# Altium PCB ANALOG_Mezzanine.PcbDoc (part 2 of 3) (continued)
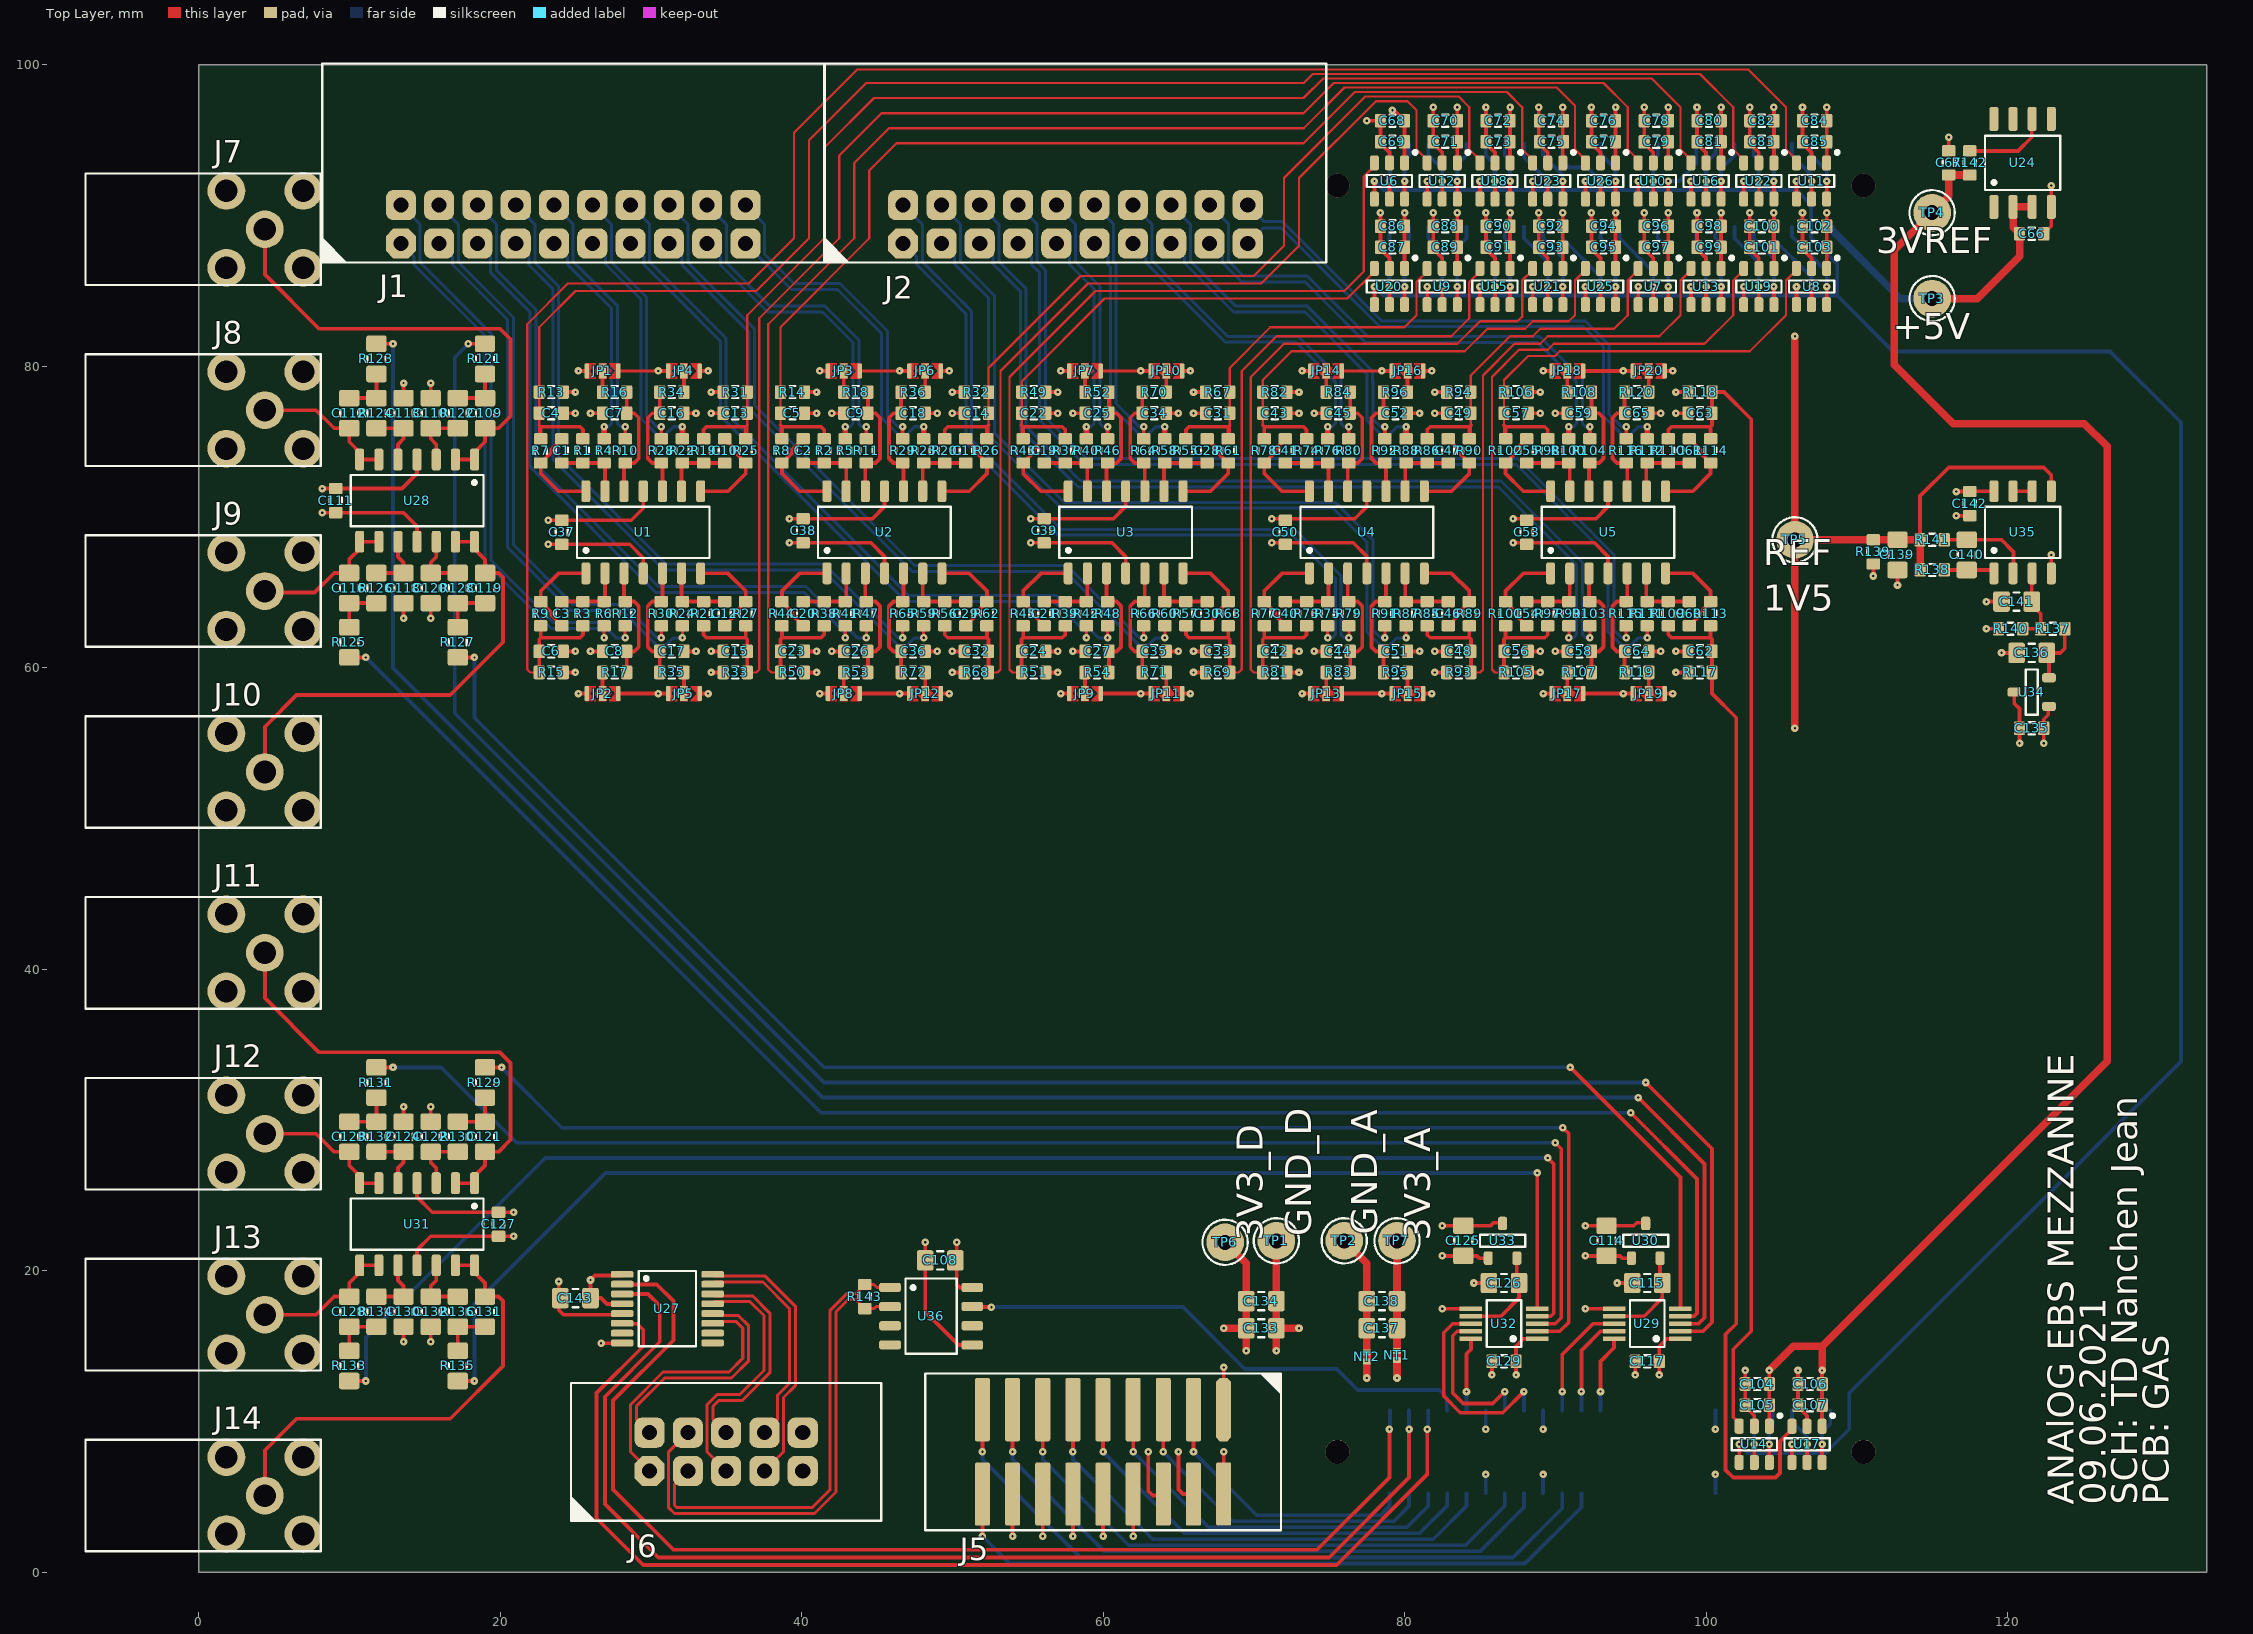
[diagram p0: Top Layer view]
## Nets (pads, with @x,y where several pads share a name; then routed paths per layer and width w, separated by ;. In a path a pad name is that pad's centre, name@x,y a point inside that pad or via, vN(x,y) a via of type N, cw(c..) or ccw(c..) an arc to the next point about the centre after c; other vN are vias at no path point) (continued)
  Top Layer w0.25: R86.2@81.5,75.2 81.5,75.8 81.7,76 84.3,76 ; R90.2@84.3,75.2 84.3,76 ; 84.4,76.1 84.3,76
ADC_CH14_CS: J4.a16 U7.6 | length 5.4
  Top Layer w0.25: U7.6@97.5,84.1 v1(97.5,85.3)
  Bottom Layer w0.25: J4.a16@96.81,89.25 96.8,89.24 96.8,88.5 97.5,87.8 v1(97.5,85.3)
ADC_CH14_SDO: J4.a14 U7.5 | length 6.2
  Top Layer w0.25: U7.5@96.5,84.1 v1(96.5,85.3)
  Bottom Layer w0.25: J4.a14@94.27,89.25 94.27,88.5 96.5,86.27 v1(96.5,85.3) v1@96.5,85.2
ADC_CH15: C42.2 R73.2 R77.2 R81.1 U21.3 | length 50.1
  Top Layer w0.15: R81.1@70.6,59.7 70,59.7 69.8,59.9 69.8,79.3 72,81.5 83.5,81.5 85,83 87.5,83 87.8,83.3 87.8,85.7 88.5,86.4 U21.3@88.5,86.5
  Top Layer w0.25: R81.1@70.6,59.7 C42.2@70.6,61.1 70.6,61.9 70.7,62 ; R77.2@70.7,62.8 70.7,62 ; R73.2@73.5,62.8 73.5,62.2 73.3,62 70.7,62
ADC_CH15_CS: J4.a10 U21.6 | length 5.7
  Top Layer w0.25: U21.6@90.5,84.1 v1(90.5,85.3)
  Bottom Layer w0.25: J4.a10@89.19,89.25 89.19,88.51 90.5,87.2 v1(90.5,85.3)
ADC_CH15_SDO: J4.a9 U21.5 | length 5.8
  Top Layer w0.25: U21.5@89.5,84.1 v1(89.5,85.3)
  Bottom Layer w0.25: J4.a9@87.92,89.25 87.92,88.5 89.5,86.92 v1(89.5,85.3)
ADC_CH16: C48.2 R85.2 R89.2 R93.1 U13.3 | length 45.2
  Top Layer w0.15: R93.1@84.4,59.7 85,59.7 85.2,59.9 85.2,79.4 87.3,81.5 89,81.5 89.5,82 96.9,82 98.3,83.4 98.3,85.7 99,86.4 U13.3@99,86.5
  Top Layer w0.25: R85.2@81.5,62.8 81.5,62.2 81.7,62 84.3,62 ; R89.2@84.3,62.8 84.3,62 ; R93.1@84.4,59.7 C48.2@84.4,61.1 84.4,61.9 84.3,62
ADC_CH16_CS: J4.a19 U13.6 | length 5.3
  Top Layer w0.25: U13.6@101,84.1 v1(101,85.3)
  Bottom Layer w0.25: J4.a19@100.62,89.25 100.62,88.5 101,88.12 v1(101,85.3)
ADC_CH16_SDO: J4.a18 U13.5 | length 5.4
  Top Layer w0.25: U13.5@100,84.1 v1(100,85.3)
  Bottom Layer w0.25: J4.a18@99.35,89.25 99.35,88.5 100,87.85 v1(100,85.3)
ADC_CH17: C57.2 R98.2 R102.2 R106.1 U8.3 | length 32.1
  Top Layer w0.15: R102.2@86.6,75.3 86.6,76.1 C57.2@86.6,76.9 R106.1@86.6,78.3 86.6,79.1 88.2,80.7 90,80.7 90.3,81 102.9,81 105.3,83.4 105.3,85.7 106,86.4 U8.3@106,86.5
  Top Layer w0.25: 86.6,76.1 86.7,76 ; R102.2@86.7,75.2 86.7,76 ; R98.2@89.5,75.2 89.5,75.8 89.3,76 86.7,76
ADC_CH17_CS: J4.a23 U8.6 | length 6.1
  Top Layer w0.25: U8.6@108,84.1 v1(108,85.3)
  Bottom Layer w0.25: J4.a23@105.7,89.25 105.7,88.6 108,86.3 v1(108,85.3)
ADC_CH17_SDO: J4.a22 U8.5 | length 6.2
  Top Layer w0.25: U8.5@107,84.1 v1(107,85.3)
  Bottom Layer w0.25: J4.a22@104.43,89.25 104.43,88.5 107,85.93 v1(107,85.3)
ADC_CH18: C63.2 R110.2 R114.2 R118.1 U14.3 | length 77.5
  Top Layer w0.15: U14.3@102.2,9.6 U14.3@102.2,9.7
  Top Layer w0.25: R110.2@97.5,75.2 97.5,75.8 97.7,76 100.3,76 ; R114.2@100.3,75.2 100.3,76 ; U14.3@102.2,9.7 102.2,9.9 101.8,10.3 101.8,14.8 103,16 103,76.5 101.2,78.3 R118.1@100.4,78.3 C63.2@100.4,76.9 100.4,76.1 100.3,76
ADC_CH18_CS: J3.b22 U14.6 | length 3.5
  Top Layer w0.25: U14.6@104.2,7.3 v1(104.2,8.5)
  Bottom Layer w0.25: v1(104.2,8.5) 104.2,9.5 104.43,9.73 J3.b22@104.43,10.75
ADC_CH18_SDO: J3.b21 U14.5 | length 3.4
  Top Layer w0.25: U14.5@103.2,7.3 v1(103.2,8.5)
  Bottom Layer w0.25: v1(103.2,8.5) J3.b21@103.2,10.75
ADC_CH19: C56.2 R97.2 R101.2 R105.1 U19.3 | length 48
  Top Layer w0.15: R105.1@86.6,59.7 86,59.7 85.8,59.9 85.8,79.3 87.6,81.1 89.5,81.1 89.9,81.5 99.9,81.5 101.8,83.4 101.8,85.7 102.5,86.4 U19.3@102.5,86.5
  Top Layer w0.25: R105.1@86.6,59.7 C56.2@86.6,61.1 86.6,61.9 86.7,62 ; R101.2@86.7,62.8 86.7,62 ; R97.2@89.5,62.8 89.5,62.2 89.3,62 86.7,62
ADC_CH19_CS: J4.a21 U19.6 | length 5.7
  Top Layer w0.25: U19.6@104.5,84.1 v1(104.5,85.3)
  Bottom Layer w0.25: J4.a21@103.16,89.25 103.16,88.5 104.5,87.16 v1(104.5,85.3)
ADC_CH19_SDO: J4.a20 U19.5 | length 5.8
  Top Layer w0.25: U19.5@103.5,84.1 v1(103.5,85.3)
  Bottom Layer w0.25: J4.a20@101.89,89.25 101.89,88.5 103.5,86.89 v1(103.5,85.3)
ADC_SCLK: J4.a24 U6.4 U7.4 U8.4 U9.4 U10.4 U11.4 U12.4 U13.4 U14.4 U15.4 U16.4 U17.4 U18.4 U19.4 U20.4 U21.4 U22.4 U23.4 U25.4 U26.4 | length 211.9
  Top Layer w0.25: U20.4@78,84.1 v1(78,85.3) ; U6.4@78,91.1 v1(78,92.3) ; U9.4@81.5,84.1 v1(81.5,85.3) ; U12.4@81.5,91.1 v1(81.5,92.3) ; U15.4@85,84.1 v1(85,85.3) ; U18.4@85,91.1 v1(85,92.3) ; U21.4@88.5,84.1 v1(88.5,85.3) ; U23.4@88.5,91.1 v1(88.5,92.3) ; U25.4@92,84.1 v1(92,85.3) ; U26.4@92,91.1 v1(92,92.3) ; U7.4@95.5,84.1 v1(95.5,85.3) ; U10.4@95.5,91.1 v1(95.5,92.3) ; U13.4@99,84.1 v1(99,85.3) ; U16.4@99,91.1 v1(99,92.3) ; U14.4@102.2,7.3 v1(102.2,8.5) ; U19.4@102.5,84.1 v1(102.5,85.3) ; U22.4@102.5,91.1 v1(102.5,92.3) ; U17.4@105.7,7.3 v1(105.7,8.5) ; U8.4@106,84.1 v1(106,85.3) ; U11.4@106,91.1 v1(106,92.3)
  Bottom Layer w0.25: v1(78,85.3) 78.6,84.7 81.5,84.7 ; v1(78,92.3) 78.6,91.7 81.5,91.7 ; v1(81.5,85.3) 81.5,84.7 ; v1(81.5,92.3) 81.5,91.7 ; v1(85,85.3) 85,84.7 ; v1(85,92.3) 85,91.7 ; v1(88.5,85.3) 88.5,84.7 ; v1(88.5,92.3) 88.5,91.7 ; v1(92,85.3) 92,84.7 ; v1(92,92.3) 92,91.7 ; v1(95.5,85.3) 95.5,84.7 ; v1(95.5,92.3) 95.5,91.7 ; v1(99,85.3) 99,84.7 ; v1(99,92.3) 99,91.7 ; v1(102.2,8.5) 102.8,7.9 103.7,7.9 104.4,7.9 105.7,7.9 ; v1(102.5,85.3) 102.5,84.7 ; v1(102.5,92.3) 102.5,91.7 ; v1(105.7,8.5) 105.7,7.9 ; v1(106,85.3) 106,84.7 ; v1(106,92.3) 106,91.7 ; 81.5,84.7 85,84.7 ; 81.5,91.7 85,91.7 ; 85,84.7 88.5,84.7 ; 85,91.7 88.5,91.7 ; 88.5,84.7 92,84.7 ; 88.5,91.7 92,91.7 ; 92,84.7 95.5,84.7 ; 92,91.7 95.5,91.7 ; 95.5,84.7 99,84.7 ; 95.5,91.7 99,91.7 ; 99,84.7 102.5,84.7 ; 99,91.7 102.5,91.7 ; 102.5,84.7 106,84.7 ; 102.5,91.7 106,91.7 ; 105.7,7.9 107.2,7.9 107.9,7.9 108.4,8.4 109.5,9.5 109.5,11.9 131.5,33.9 131.5,76.3 126.8,81 112.4,81 108.7,84.7 ; 106,84.7 107.5,84.7 108.7,84.7 ; 106,91.7 106.97,90.73 J4.a24@106.97,89.25 106.97,88.53 108.7,86.8 108.7,84.7
DAC_A: R121.1 U29.2 | length 135.2
  Top Layer w0.25: v1(17.9,81.5) R121.1@19,81.5 ; v1(96,32.5) 100.4,28.1 100.4,16.6 99.8,16 U29.2@98.3,16
  Bottom Layer w0.25: v1(17.9,81.5) 17,80.6 17,57 41.5,32.5 91.2,32.5 v1(96,32.5)
DAC_B: R123.1 U29.3 | length 135.2
  Top Layer w0.25: R123.1@11.8,81.5 v1(12.9,81.5) ; v1(95.5,31.5) 99.9,27.1 99.9,16.9 99.5,16.5 U29.3@98.3,16.5
  Bottom Layer w0.25: v1(12.9,81.5) 12.9,60 41.4,31.5 90.6,31.5 v1(95.5,31.5) ; v1@95.5,31.472 v1(95.5,31.5) ; v1@95.5,31.522 v1(95.5,31.5)
DAC_C: R125.1 U29.4 | length 113.8
  Top Layer w0.25: R125.1@10,60.7 v1(11.1,60.7) ; v1(95,30.5) 99.4,26.1 99.4,17.2 99.2,17 U29.4@98.3,17
  Bottom Layer w0.25: v1(11.1,60.7) 41.3,30.5 v1(95,30.5)
DAC_D: R127.1 U29.5 | length 106.4
  Top Layer w0.25: R127.1@17.2,60.7 v1(18.3,60.7) ; v1(91,33.5) 98.3,26.2 U29.5@98.3,17.5
  Bottom Layer w0.25: v1(18.3,60.7) 18.3,56.7 41.493,33.507 v1@91,33.507
DAC_E: R129.1 U32.2 | length 88.6
  Top Layer w0.25: R129.1@19,33.5 v1(20.1,33.5) ; U32.2@88.8,16 90.3,16 90.9,16.6 90.9,29.1 v1(90.5,29.5)
  Bottom Layer w0.25: v1(20.1,33.5) 24.1,29.5 v1(90.5,29.5)
DAC_F: R131.1 U32.3 | length 94
  Top Layer w0.25: R131.1@11.8,33.5 v1(12.9,33.5) ; U32.3@88.6,16.5 U32.3@88.8,16.5 90,16.5 90.4,16.9 90.4,28.1 v1(90,28.5)
  Bottom Layer w0.25: v1(12.9,33.5) 16.1,33.5 21.1,28.5 v1(90,28.5)
DAC_G: R133.1 U32.4 | length 99
  Top Layer w0.25: R133.1@10,12.7 v1(11.1,12.7) ; U32.4@88.8,17 89.7,17 89.9,17.2 89.9,27.1 v1(89.5,27.5)
  Bottom Layer w0.25: v1(11.1,12.7) 11.1,15.6 23,27.5 v1(89.5,27.5)
DAC_H: R135.1 U32.5 | length 89.3
  Top Layer w0.25: R135.1@17.2,12.7 v1(18.3,12.7) ; U32.5@88.8,17.5 v1(88.8,26.5)
  Bottom Layer w0.25: v1(18.3,12.7) 18.3,17.8 27,26.5 v1(88.8,26.5)
DAC_OUT_A: C109.2 J7.1 U28.1 U28.2 | length 31.8
  Top Layer w0.25: J7.1@4.4,89.1 4.4,86.1 8,82.5 20,82.5 20.7,81.8 20.7,76.7 19.9,75.9 C109.2@19.01,75.9 ; U28.2@17.04,73.825 U28.1@18.31,73.825 18.31,74.3 19.01,75 C109.2@19.01,75.9 ; C109.2@19,75.9 C109.2@19.01,75.9
DAC_OUT_B: C112.2 J8.1 U28.6 U28.7 | length 9.7
  Top Layer w0.25: J8.1@4.4,77.1 7.8,77.1 9,75.9 C112.2@10,75.9 10,75 10.7,74.3 U28.7@10.7,73.825 ; U28.7@10.69,73.825 U28.7@10.7,73.825 ; U28.6@11.96,73.825 U28.7@10.7,73.825
DAC_OUT_C: C116.2 J9.1 U28.8 U28.9 | length 12.2
  Top Layer w0.25: J9.1@4.4,65 7.7,65 9,66.3 C116.2@9.99,66.3 ; U28.9@11.96,68.375 11.96,68.4 11.935,68.375 U28.8@10.7,68.375 ; C116.2@9.99,66.3 10,66.3 10,67.2 10.7,67.9 U28.8@10.7,68.375 ; C116.2@9.99,66.3 9.99,67.2 10.69,67.9 U28.8@10.69,68.375 U28.8@10.7,68.375
DAC_OUT_D: C119.2 J10.1 U28.13 U28.14 | length 30.4
  Top Layer w0.25: J10.1@4.4,53.1 4.4,56.1 6.5,58.2 16.7,58.2 20.2,61.7 20.2,66 19.9,66.3 C119.2@19.01,66.3 19.01,67.2 18.31,67.9 U28.14@18.31,68.375 U28.13@17.04,68.375
DAC_OUT_E: C121.2 J11.1 U31.1 U31.2 | length 31.8
  Top Layer w0.25: J11.1@4.4,41.1 4.4,38.1 8,34.5 20,34.5 20.7,33.8 20.7,28.7 19.9,27.9 C121.2@19,27.9 19,27 18.3,26.3 U31.1@18.3,25.825 ; U31.2@17.04,25.825 U31.1@18.3,25.825 ; U31.1@18.31,25.825 U31.1@18.3,25.825
DAC_OUT_F: C123.2 J12.1 U31.6 U31.7 | length 9.7
  Top Layer w0.25: J12.1@4.4,29.1 7.8,29.1 9,27.9 C123.2@10,27.9 10,27 10.7,26.3 U31.7@10.7,25.825 ; U31.7@10.69,25.825 U31.7@10.7,25.825 ; U31.6@11.96,25.825 U31.7@10.7,25.825
DAC_OUT_G: C128.2 J13.1 U31.8 U31.9 | length 9.8
  Top Layer w0.25: J13.1@4.4,17.1 7.8,17.1 9,18.3 C128.2@10,18.3 10,19.2 10.7,19.9 U31.8@10.7,20.375 ; U31.8@10.69,20.375 U31.8@10.7,20.375 ; U31.9@11.96,20.375 11.96,20.4 11.935,20.375 U31.8@10.7,20.375
DAC_OUT_H: C131.2 J14.1 U31.13 U31.14 | length 30.4
  Top Layer w0.25: J14.1@4.4,5.1 4.4,8.1 6.5,10.2 16.7,10.2 20.2,13.7 20.2,18 19.9,18.3 C131.2@19.01,18.3 ; U31.13@17.04,20.375 U31.14@18.31,20.375 18.31,19.9 19.01,19.2 C131.2@19.01,18.3 ; C131.2@19,18.3 C131.2@19.01,18.3
GND_A: C4.1 C5.1 C6.1 C7.1 C8.1 C9.1 C13.1 C14.1 C15.1 C16.1 C17.1 C18.1 C22.1 C23.1 C24.1 C25.1 C26.1 C27.1 C31.1 C32.1 C33.1 C34.1 C35.1 C36.1 C37.1 C38.1 C39.1 C42.1 C43.1 C44.1 C45.1 C48.1 C49.1 C50.1 C51.1 C52.1 C53.1 C56.1 C57.1 C58.1 C59.1 C62.1 C63.1 C64.1 C65.1 C66.1 C67.1 C68.1 C69.1 C70.1 C71.1 C72.1 C73.1 C74.1 C75.1 C76.1 C77.1 C78.1 C79.1 C80.1 C81.1 C82.1 C83.1 C84.1 C85.1 C86.1 C87.1 C88.1 C89.1 C90.1 C91.1 C92.1 C93.1 C94.1 C95.1 C96.1 C97.1 C98.1 C99.1 C100.1 C101.1 C102.1 C103.1 C104.1 C105.1 C106.1 C107.1 C110.1 C111.1 C113.1 C114.1 C115.1 C118.1 C120.1 C122.1 C124.1 C125.1 C126.1 C127.1 C130.1 C132.1 C135.1 C136.1 C137.2 C138.2 C139.1 C141.1 C142.1 J7.2 J8.2 J9.2 J10.2 J11.2 J12.2 J13.2 J14.2 JP1.3 JP2.3 JP3.3 JP4.3 JP5.3 JP6.3 JP7.3 JP8.3 JP9.3 JP10.3 JP11.3 JP12.3 JP13.3 JP14.3 JP15.3 JP16.3 JP17.3 JP18.3 JP19.3 JP20.3 NT2.2 R13.2 R14.2 R15.2 R31.2 R32.2 R33.2 R49.2 R50.2 R51.2 R67.2 R68.2 R69.2 R81.2 R82.2 R93.2 R94.2 R105.2 R106.2 R117.2 R118.2 R139.2 R140.2 TP2.1 U1.11 U2.11 U3.11 U4.11 U5.11 U6.2 U7.2 U8.2 U9.2 U10.2 U11.2 U12.2 U13.2 U14.2 U15.2 U16.2 U17.2 U18.2 U19.2 U20.2 U21.2 U22.2 U23.2 U24.4 U25.2 U26.2 U28.11 U30.3 U31.11 U33.3 U34.3 U35.4 | length 236.3
  Top Layer w0.25: v1(8.2,70.3) C111.1@9.1,70.3 ; v1(13.6,15.3) C130.1@13.6,16.3 ; C124.1@13.6,29.9 v1(13.6,30.9) ; v1(13.6,63.3) C118.1@13.6,64.3 ; C113.1@13.6,77.9 v1(13.6,78.9) ; U31.11@14.5,20.375 14.5,21.4 15.4,22.3 C127.1@19.9,22.3 v1(20.9,22.3) ; U28.11@14.5,68.375 14.5,69.4 13.6,70.3 10.1,70.3 ; v1(15.4,15.3) C132.1@15.4,16.3 ; C122.1@15.4,29.9 v1(15.4,30.9) ; v1(15.4,63.3) C120.1@15.4,64.3 ; C110.1@15.4,77.9 v1(15.4,78.9) ; v1(23.2,69.8) C37.1@24.1,69.8 28.7,69.8 29.5,70.6 U1.11@29.5,71.725 ; R15.2@24.2,59.7 v1(25,59.7) ; C6.1@24.2,61.1 v1(25,61.1) ; C4.1@24.2,76.9 v1(25,76.9) ; R13.2@24.2,78.3 v1(25,78.3) ; v1@25.1,58.3 v1(25.2,58.3) JP2.3@25.75,58.3 ; v1@25.1,79.7 v1(25.2,79.7) JP1.3@25.75,79.7 ; v1(26,61.1) C8.1@26.8,61.1 ; v1(26,76.9) C7.1@26.8,76.9 ; C17.1@32.2,61.1 v1(33,61.1) ; C16.1@32.2,76.9 v1(33,76.9) ; JP5.3@33.25,58.3 v1(33.8,58.3) v1@33.9,58.3 ; JP4.3@33.25,79.7 v1(33.8,79.7) v1@33.9,79.7 ; v1(34,59.7) R33.2@34.8,59.7 ; v1(34,61.1) C15.1@34.8,61.1 ; v1(34,76.9) C13.1@34.8,76.9 ; v1(34,78.3) R31.2@34.8,78.3 ; v1(39.2,69.9) C38.1@40.1,69.9 44.7,69.9 45.5,70.7 U2.11@45.5,71.725 U2.11@45.5,71.825 ; R50.2@40.2,59.7 v1(41,59.7) ; C23.1@40.2,61.1 v1(41,61.1) ; C5.1@40.2,76.9 v1(41,76.9) ; R14.2@40.2,78.3 v1(41,78.3) ; v1@41.1,58.3 v1(41.2,58.3) JP8.3@41.75,58.3 ; v1@41.1,79.7 v1(41.2,79.7) JP3.3@41.75,79.7 ; v1(42,61.1) C26.1@42.8,61.1 ; v1(42,76.9) C9.1@42.8,76.9 ; C36.1@48.2,61.1 v1(49,61.1) ; C18.1@48.2,76.9 v1(49,76.9) ; JP12.3@49.25,58.3 v1(49.8,58.3) v1@49.9,58.3 ; JP6.3@49.25,79.7 v1(49.8,79.7) v1@49.9,79.7 ; v1(50,59.7) R68.2@50.8,59.7 ; v1(50,61.1) C32.1@50.8,61.1 ; v1(50,76.9) C14.1@50.8,76.9 ; v1(50,78.3) R32.2@50.8,78.3 ; v1(55.2,69.9) C39.1@56.1,69.9 60.7,69.9 61.5,70.7 U3.11@61.5,71.725 U3.11@61.5,71.825 ; R51.2@56.2,59.7 v1(57,59.7) ; C24.1@56.2,61.1 v1(57,61.1) ; C22.1@56.2,76.9 v1(57,76.9) ; R49.2@56.2,78.3 v1(57,78.3) ; v1@57.1,58.3 v1(57.2,58.3) JP9.3@57.75,58.3 ; v1@57.1,79.7 v1(57.2,79.7) JP7.3@57.75,79.7 ; v1(58,61.1) C27.1@58.8,61.1 ; v1(58,76.9) C25.1@58.8,76.9 ; C35.1@64.2,61.1 v1(65,61.1) ; C34.1@64.2,76.9 v1(65,76.9) ; JP11.3@65.25,58.3 v1(65.8,58.3) v1@65.9,58.3 ; JP10.3@65.25,79.7 v1(65.8,79.7) v1@65.9,79.7 ; v1(66,59.7) R69.2@66.8,59.7 ; v1(66,61.1) C33.1@66.8,61.1 ; v1(66,76.9) C31.1@66.8,76.9 ; v1(66,78.3) R67.2@66.8,78.3 ; v1(71.2,69.9) 76.7,69.9 77.5,70.7 U4.11@77.5,71.725 U4.11@77.5,71.825 ; R81.2@72.2,59.7 v1(73,59.7) ; C42.1@72.2,61.1 v1(73,61.1) ; C43.1@72.2,76.9 v1(73,76.9) ; R82.2@72.2,78.3 v1(73,78.3) ; v1@73.1,58.3 v1(73.2,58.3) JP13.3@73.75,58.3 ; v1@73.1,79.7 v1(73.2,79.7) JP14.3@73.75,79.7 ; v1(74,61.1) C44.1@74.8,61.1 ; v1(74,76.9) C45.1@74.8,76.9 ; v1(77.5,96.3) C68.1@78.4,96.3 C69.1@78.4,94.9 78.4,94.8 79,94.2 U6.2@79,93.5 ; v1(78.4,90.2) C86.1@78.4,89.3 78.4,87.8 79,87.2 U20.2@79,86.5 ; C51.1@80.2,61.1 v1(81,61.1) ; C52.1@80.2,76.9 v1(81,76.9) ; JP15.3@81.25,58.3 v1(81.8,58.3) v1@81.9,58.3 ; JP16.3@81.25,79.7 v1(81.8,79.7) v1@81.9,79.7 ; v1(81.9,90.2) 81.9,87.8 82.5,87.2 U9.2@82.5,86.5 ; v1(81.9,97.2) 81.9,94.8 82.5,94.2 U12.2@82.5,93.5 ; v1(82,59.7) R93.2@82.8,59.7 ; v1(82,61.1) C48.1@82.8,61.1 ; v1(82,76.9) C49.1@82.8,76.9 ; v1(82,78.3) R94.2@82.8,78.3 ; v1(84.6,19.2) C126.1@85.6,19.2 ; v1(85.4,90.2) 85.4,87.8 86,87.2 U15.2@86,86.5 ; v1(85.4,97.2) 85.4,94.8 86,94.2 U18.2@86,93.5 ; U33.3@86.5,23.15 86.45,23.2 85.9,23.2 85.7,23 C125.1@83.9,23 82.8,23 ; v1(87.2,69.9) 92.7,69.9 93.5,70.7 U5.11@93.5,71.725 U5.11@93.5,71.825 ; R105.2@88.2,59.7 v1(89,59.7) ; C56.1@88.2,61.1 v1(89,61.1) ; C57.1@88.2,76.9 v1(89,76.9) ; R106.2@88.2,78.3 v1(89,78.3) ; v1(88.9,90.2) C93.1@88.9,87.9 88.9,87.8 89.5,87.2 U21.2@89.5,86.5 ; v1(88.9,97.2) 88.9,94.8 89.5,94.2 U23.2@89.5,93.5 ; v1@89.1,58.3 v1(89.2,58.3) JP17.3@89.75,58.3 ; v1@89.1,79.7 v1(89.2,79.7) JP18.3@89.75,79.7 ; v1(90,61.1) C58.1@90.8,61.1 ; v1(90,76.9) C59.1@90.8,76.9 ; 92.3,23 v1(92,23) C114.1@93.4,23 95.2,23 95.4,23.2 95.95,23.2 U30.3@96,23.15 ; v1(92.4,90.2) 92.4,87.8 93,87.2 U25.2@93,86.5 ; v1(92.4,97.2) 92.4,94.8 93,94.2 U26.2@93,93.5 ; v1(94.1,19.2) C115.1@95.1,19.2 ; v1(95.9,90.2) 95.9,87.8 96.5,87.2 U7.2@96.5,86.5 ; v1(95.9,97.2) 95.9,94.8 96.5,94.2 U10.2@96.5,93.5 ; C64.1@96.2,61.1 v1(97,61.1) ; C65.1@96.2,76.9 v1(97,76.9) ; JP19.3@97.25,58.3 v1(97.8,58.3) v1@97.9,58.3 ; JP20.3@97.25,79.7 v1(97.8,79.7) v1@97.9,79.7 ; v1(98,59.7) R117.2@98.8,59.7 ; v1(98,61.1) C62.1@98.8,61.1 ; v1(98,76.9) C63.1@98.8,76.9 ; v1(98,78.3) R118.2@98.8,78.3 ; v1(99.4,90.2) 99.4,87.8 100,87.2 U13.2@100,86.5 ; v1(99.4,97.2) C80.1@99.4,96.3 C81.1@99.4,94.9 99.4,94.8 100,94.2 U16.2@100,93.5 ; v1(102.6,13.4) 102.6,12.4 102.6,11 103.2,10.4 U14.2@103.2,9.7 ; v1(102.9,90.2) 102.9,87.8 103.5,87.2 U19.2@103.5,86.5 ; v1(102.9,97.2) C83.1@102.9,94.9 102.9,94.8 103.5,94.2 U22.2@103.5,93.5 ; v1(106.1,13.4) 106.1,11 106.7,10.4 U17.2@106.7,9.7 ; v1(106.4,90.2) 106.4,87.8 107,87.2 U8.2@107,86.5 ; v1(106.4,97.2) 106.4,94.8 107,94.2 U11.2@107,93.5 ; v1(111.1,66.1) R139.2@111.1,66.9 ; v1(112.7,65.5) C139.1@112.7,66.5 ; C67.1@116.1,94.3 v1(116.1,95.2) ; v1(116.6,70.1) C142.1@117.5,70.1 ; v1@118.5,62.6 v1(118.6,62.6) R140.2@119.4,62.6 ; v1(118.6,64.4) C141.1@119.6,64.4 ; v1(119.6,61) C136.1@120.6,61 ; U34.3@120.45,58.4 120.45,57.65 120.8,57.3 C135.1@120.8,56 v1(120.8,55) ; C66.1@122.4,88.8 122.905,89.305 U24.4@122.905,90.579 122.905,91.995 v1(122.9,92) ; U35.4@122.9,66.6 v1(122.9,67.5) ; C111.1@9.1,70.3 10.1,70.3 ; C111.1@9.1,70.3 10.1,70.3 ; 82.8,23 v1(82.5,23) 82.8,23
  Top Layer w0.5: TP2.1@76,22 77.5,20.5 C138.2@77.5,18 C137.2@77.5,16.2 NT2.2@77.5,14.7
GND_D: C108.1 C117.1 C129.1 C133.2 C134.2 C143.1 J3.a10 J3.a19 J3.b10 J3.b19 J5.2 J5.4 J5.6 J5.8 J5.10 J5.12 J5.14 J5.16 J6.9 NT2.1 TP1.1 U27.5 U27.8 U29.6 U32.6 U36.5 | length 64
  Top Layer w0.25: v1(23.9,19.3) 23.9,17.4 24.2,17.1 28.1,17.1 U27.5@28.1,17.175 ; v1(26.7,15.2) 28.1,15.2 U27.8@28.1,15.225 ; v1(48.2,21.9) C108.1@48.2,20.7 48.2,20.4 48.2,17.3 50.405,15.095 U36.5@51.325,15.095 ; v1(54,2.4) J5.16@54,5.2 ; v1(56,2.4) J5.14@56,5.2 ; v1(58,2.4) J5.12@58,5.2 ; v1(60,2.4) J5.10@60,5.2 ; v1(62,2.4) J5.8@62,5.2 ; v1(63,8) 63,5.4 63.3,5.1 64,5.1 J5.6@64,5.2 ; v1(65,8) 65,5.5 65.3,5.2 J5.4@66,5.2 ; J5.2@68,5.2 v1(68,8) ; v1(82.5,17.5) U32.6@84.2,17.5 ; v1(85.8,13.1) C129.1@85.8,14 ; v1(92,17.5) U29.6@93.7,17.5 ; v1(95.3,13.1) C117.1@95.3,14
  Top Layer w0.5: TP1.1@71.5,22 C134.2@71.5,18 ; v1(73,16.2) C133.2@71.5,16.2 ; v1(77.5,12.9) NT2.1@77.5,13.95 ; C133.2@71.5,16.2 C134.2@71.5,18 ; C133.2@71.5,16.2 v1(71.5,14.7) C133.2@71.5,16.2 ; C133.2@71.5,16.2 C134.2@71.5,18
  Bottom Layer w0.25: J3.a10@89.19,5.25 v1(89.19,6.5) ; v1(89.19,9.5) J3.b10@89.19,10.75 ; J3.a19@100.62,5.25 v1(100.62,6.5) ; v1(100.62,9.5) J3.b19@100.62,10.75
MEAS_0_N: J2.7 R111.1 | length 62.7
  Top Layer w0.2: v1(96.1,62) R111.1@96.1,62.8
  Bottom Layer w0.2: J2.7@54.36,88.16 55.24,87.28 55.24,86.768 55.8,86.208 55.8,76.448 58.448,73.8 58.738,73.51 87.39,73.51 93.5,67.4 93.5,62.4 94.4,61.5 95,61.5 95.5,62 v1(96.1,62)
MEAS_0_P: J2.8 R115.1 | length 63.4
  Top Layer w0.2: v1(94.7,62) R115.1@94.7,62.8
  Bottom Layer w0.2: J2.8@54.36,90.7 55.63,89.43 55.63,86.93 56.19,86.37 56.19,76.61 58.9,73.9 ; 58.724,74.076 58.9,73.9 ; v1(94.7,62) 94.4,62 93.89,62.51 93.89,67.51 87.5,73.9 58.9,73.9
MEAS_1_N: J1.9 R4.1 | length 14.9
  Top Layer w0.381: R4.1@26.9,75.2 v1(26.9,76)
  Bottom Layer w0.2: J1.9@23.58,88.16 24.46,87.28 24.46,86.788 27.41,83.838 27.41,76.21 27.2,76 v1(26.9,76)
MEAS_1_P: J1.10 R10.1 | length 17.6
  Top Layer w0.25: R10.1@28.3,75.2 v1(28.3,76)
  Bottom Layer w0.2: J1.10@23.58,90.7 24.85,89.43 24.85,86.95 27.8,84 27.8,76.2 28,76 v1(28.3,76)
MEAS_2_N: J1.11 R22.1 | length 17.1
  Top Layer w0.381: R22.1@32.1,75.2 v1(32.1,76)
  Bottom Layer w0.2: J1.11@26.12,88.16 27,87.28 27,86.8 29.346,84.454 29.346,76.554 30.4,75.5 31,75.5 31.5,76 v1(32.1,76)
MEAS_2_P: J1.12 R28.1 | length 17.6
  Top Layer w0.25: R28.1@30.7,75.2 v1(30.7,76)
  Bottom Layer w0.2: J1.12@26.12,90.7 27.39,89.43 27.39,86.91 29.7,84.6 29.7,76.7 30.4,76 v1(30.7,76)
MEAS_3_N: J1.1 R6.1 | length 34.4
  Top Layer w0.2: v1(26.9,62) R6.1@26.9,62.8
  Bottom Layer w0.2: J1.1@13.42,88.16 14.3,87.28 14.3,86.748 19,82.048 19,67 23.39,62.61 26.59,62.61 26.9,62.3 v1(26.9,62)
MEAS_3_P: J1.2 R12.1 | length 37.9
  Top Layer w0.2: v1(28.3,62) R12.1@28.3,62.8
  Bottom Layer w0.2: J1.2@13.42,90.7 14.69,89.43 14.69,86.91 19.39,82.21 ; 19.4,82.2 19.39,82.21 ; v1(28.3,62) 27.7,62 26.7,63 23.552,63 19.39,67.162 19.39,82.21
MEAS_4_N: J1.3 R24.1 | length 37.3
  Top Layer w0.2: v1(32.1,62) R24.1@32.1,62.8
  Bottom Layer w0.2: J1.3@15.96,88.16 16.84,87.28 16.84,86.76 20.5,83.1 20.5,68 24.7,63.8 28.1,63.8 30.4,61.5 31,61.5 31.5,62 v1(32.1,62)
MEAS_4_P: J1.4 R30.1 | length 37.7
  Top Layer w0.2: v1(30.7,62) R30.1@30.7,62.8
  Bottom Layer w0.2: J1.4@15.96,90.7 17.23,89.43 17.23,86.922 20.9,83.252 20.9,68.166 24.866,64.2 28.2,64.2 30.4,62 v1(30.7,62)
MEAS_5_N: J2.9 R40.1 | length 14.4
  Top Layer w0.381: R40.1@58.9,75.2 v1(58.9,76)
  Bottom Layer w0.2: J2.9@56.9,88.16 57.78,87.28 57.78,86.768 58.41,86.138 59.41,85.138 59.41,76.21 59.2,76 v1(58.9,76)
MEAS_5_P: J2.10 R46.1 | length 17.1
  Top Layer w0.25: R46.1@60.3,75.2 v1(60.3,76)
  Bottom Layer w0.2: J2.10@56.9,90.7 58.17,89.43 58.17,86.93 58.6,86.5 58.8,86.3 59.8,85.3 59.8,76.2 60,76 v1(60.3,76)
MEAS_6_N: J2.11 R58.1 | length 16.6
  Top Layer w0.381: R58.1@64.1,75.2 v1(64.1,76)
  Bottom Layer w0.2: J2.11@59.44,88.16 60.32,87.28 60.32,86.78 60.5,86.6 60.5,77.4 62.4,75.5 63,75.5 63.5,76 v1(64.1,76)
MEAS_6_P: J2.12 R64.1 | length 17
  Top Layer w0.25: R64.1@62.7,75.2 v1(62.7,76)
  Bottom Layer w0.2: J2.12@59.44,90.7 60.71,89.43 60.71,86.89 60.854,86.746 60.854,77.546 62.4,76 v1(62.7,76)
MEAS_7_N: J1.5 R41.1 | length 42.8
  Top Layer w0.2: v1(42.9,62) R41.1@42.9,62.8
  Bottom Layer w0.2: J1.5@18.5,88.16 19.38,87.28 19.38,86.22 22,83.6 22,73.348 30.338,65.01 40.19,65.01 42.9,62.3 v1(42.9,62)
MEAS_7_P: J1.6 R47.1 | length 46.7
  Top Layer w0.2: v1(44.3,62) R47.1@44.3,62.8
  Bottom Layer w0.2: J1.6@18.5,90.7 19.77,89.43 ; 19.77,89 19.77,89.43 ; v1(44.3,62) 43.7,62 41.9,63.8 40.3,65.4 30.5,65.4 22.39,73.51 22.39,83.762 19.77,86.382 19.77,89.43
MEAS_8_N: J1.15 R60.1 | length 48.2
  Top Layer w0.2: v1(64.1,62) R60.1@64.1,62.8
  Bottom Layer w0.2: J1.15@31.2,88.16 32.08,87.28 32.08,86.72 36.5,82.3 36.5,77.248 47.348,66.4 57.5,66.4 62.4,61.5 63,61.5 63.5,62 v1(64.1,62)
MEAS_8_P: J1.16 R66.1 | length 48.6
  Top Layer w0.2: v1(62.7,62) R66.1@62.7,62.8
  Bottom Layer w0.2: J1.16@31.2,90.7 32.47,89.43 32.47,86.882 36.89,82.462 36.89,77.41 47.5,66.8 57.6,66.8 62.4,62 v1(62.7,62)
MEAS_9_N: J1.17 R5.1 | length 19.5
  Top Layer w0.381: R5.1@42.9,75.2 v1(42.9,76)
  Bottom Layer w0.2: J1.17@33.74,88.16 34.62,87.28 34.62,86.728 37.738,83.61 41.39,83.61 43.41,81.59 43.41,76.21 43.2,76 v1(42.9,76)
MEAS_9_P: J1.18 R11.1 | length 22.2
  Top Layer w0.25: R11.1@44.3,75.2 v1(44.3,76)
  Bottom Layer w0.2: J1.18@33.74,90.7 35.01,89.43 35.01,86.89 37.9,84 41.552,84 43.8,81.752 43.8,76.2 44,76 v1(44.3,76)